# Allegro board reServer industrial J401 Carrier Board v11.brd (continued)
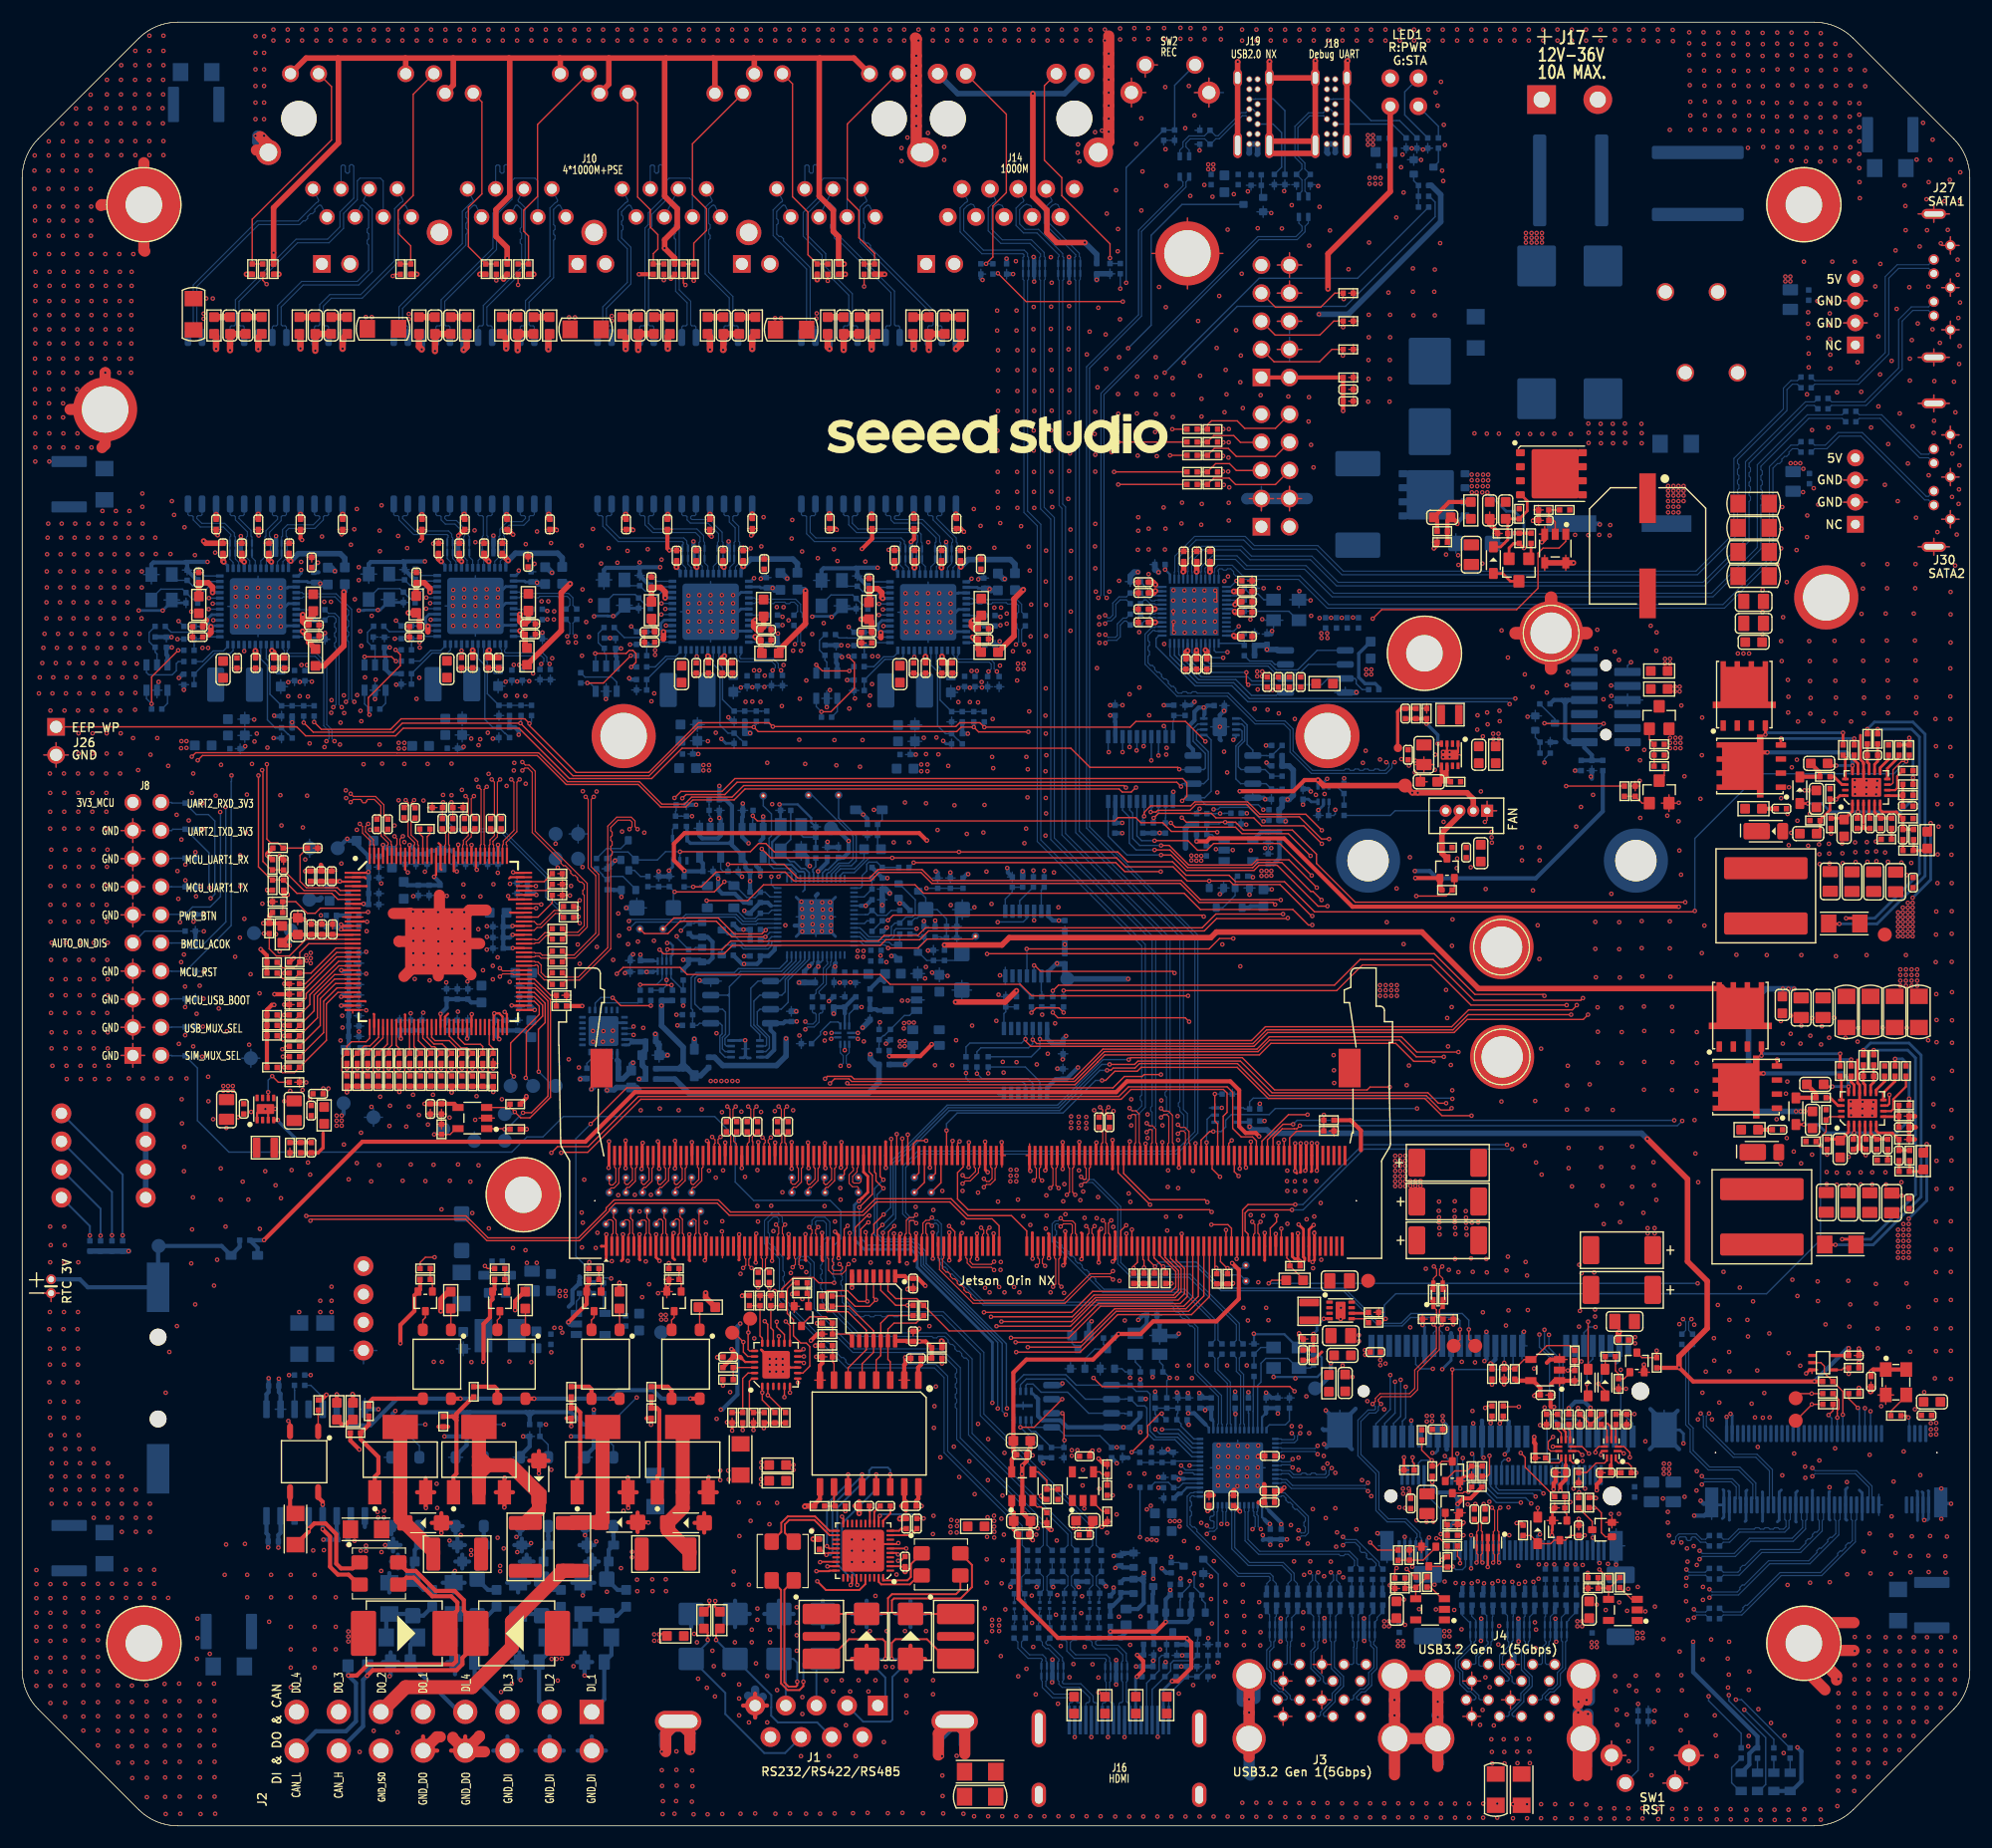
[diagram p0: board, top side]
## Routing (per net, layer and track width the routed paths; a pad name or vN(x,y) marks a point on that pad's centre or on a via; arc(x,y) is an arc through that point) (continued)
N31601691: length 3.9
  TOP w0.127: R456.1 23.15,67.2 v1(22.6,67.75) ; U64.6 v1(22.23,66.3)
  BOTTOM w0.127: v1(22.23,66.3) 22.23,67.39 v1(22.6,67.75)
N31601759: length 5
  TOP w0.305: C329.2 R455.2 v1(24.64,61.75) R457.1 ; U64.4 v1(23.1,63.78)
  BOTTOM w0.305: v1(24.64,61.75) 24.64,62.18 23.1,63.71 v1(23.1,63.78)
N31798159: length 10.6
  TOP w0.127: U51.8 70.55,40.92 71.18,41.55 71.18,43.31 70.86,43.63 70.36,43.63 69.7,44.29 69.7,45.74 69.14,46.3 69.14,48.55 69.65,49.06 R442.1
N32051114: length 6.8
  BOTTOM w0.127: LED1.2 124.93,156.7 124.93,154.61 127.01,152.53 R443.1
N32246249: length 9.4
  TOP w0.127: J25.8 113.25,123.75 109.72,123.75 108.99,124.48 107.73,124.48 D76.2 R449.2
N32246268: length 9.7
  TOP w0.127: J25.10 113.25,126.29 110.47,126.29 109.79,126.97 107.47,126.97 107.1,126.6 D75.2 R450.2
N32249612: length 20.7
  TOP w0.178: v1(78.58,15.1) 78.58,16.54 78.91,16.87 81.76,16.87 83.54,15.1 TBU1.3
  BOTTOM w0.178: v1(78.58,15.1) 80.27,15.1 TISP2.2 78.64,13.46 78.64,9.6 78.46,9.42 75.99,9.42 J1.2
N32249635: length 15
  TOP w0.178: TBU2.3 72.94,15.1 74.71,16.87 77.76,16.87 78,16.63 v1(78,15.09)
  BOTTOM w0.178: J1.1 78,11.55 78,13.41 TISP1.2 v1(78,15.09)

## Copper pours and planes (outline as drawn; the poured copper is in the pictures)
1V25_SW on TOP: 129.1,97.57 129.1,99.09 129.47,99.45 129.47,101.36 129.64,101.53 130.48,101.53 130.66,101.35 130.66,98.94 130.07,98.35 129.6,98.35 129.4,98.15 129.4,97.55 129.37,97.52 129.16,97.52
3V3_IN_A on TOP: 129.73,96.09 130.13,96.09 130.51,96.47 133.56,96.47 133.87,96.17 133.87,94.64 133.49,94.26 129.47,94.26 129.22,94.52 129.22,94.85 129.12,94.95 129.12,95.99 129.19,96.07 129.35,96.07 129.4,96.01 129.4,95.51 129.42,95.48 129.6,95.48 129.63,95.51 129.63,95.99
3V3_LDO on BOTTOM: 77.7,75.44 77.7,76.43 77.53,76.61 77.53,77.27 77.65,77.39 79.48,77.39 79.61,77.27 79.61,76.88 78.75,76.02 78.75,75.41 78.57,75.23 77.91,75.23
3V3_MCU on BOTTOM: 74.5,79.58 75.52,79.58 75.83,79.27 76.92,79.27 77.02,79.17 77.02,77.29 76.28,76.55 75.95,76.55 75.6,76.91 74.1,76.91 73.84,77.16 73.84,78.97 73.89,79.02 73.97,79.02 74,78.99 74,78.38 74.05,78.33 74.2,78.33 74.25,78.38 74.25,79.32
3V3_MCU on LAY4: 63.47,85.58 68.67,85.58 69,85.91 69,89.61 71.11,91.72 79.9,91.72 80.43,91.19 80.43,76.74 79.77,76.08 71.62,76.08 70.22,74.68 70.22,72.54 69.64,71.96 58.97,71.96 58.64,72.29 58.64,76.33 60.75,78.44 60.75,81.82 62.78,83.85 62.78,84.89
5V_ISO on TOP: 66.57,30.06 67.59,30.06 67.89,30.36 67.89,31.48 67.82,31.56 67.23,31.56 67.22,31.55 66.52,31.55 66.39,31.42 66.39,30.24
5V_ISO on BOTTOM: 43.17,51.13 43.17,47.93 43.72,47.37 49.06,47.37 49.34,47.65 49.34,48.56 49.06,48.84 45.02,48.84 44.71,49.15 44.71,51.13 44.46,51.38 43.42,51.38
5V_ISO on LAY4: 49.04,46.26 50.51,44.78 54.75,44.78 55.11,44.43 55.11,36.5 55.85,35.77 66.51,35.77 67.81,34.47 67.81,32.18 67.23,31.6 66.57,31.6 66.36,31.4 66.36,30.38 66.72,30.03 68.78,30.03 69.51,30.76 69.51,38.1 68.5,39.12 57.78,39.12 57.52,39.37 57.52,45.67 54.5,48.69 39.01,48.69 33.75,53.95 28.47,53.95 17.47,42.95 17.47,24.84 18.79,23.52 27.22,23.52 27.96,24.26 27.96,26.42 27.4,26.98 21.15,26.98 20.29,27.84 20.29,36.78 21.28,37.77 28.49,37.77 29,38.28 29,39.17 28.41,39.75 21.18,39.75 20.64,40.29 20.64,42.75 29.38,51.49 32.94,51.49 38.17,46.26
GND on TOP: 43.76,107.97 43.76,110.15 44.58,110.96 44.58,112.41 44.35,112.64 39.57,112.64 38.33,111.4 38.33,107.94 38.63,107.64 43.43,107.64
GND on TOP: 56.41,103.37 56.41,100.94 57.57,99.77 64.2,99.77 65.12,100.69 65.12,103.66 64.35,104.42 64.35,104.42 60.69,104.42 60.09,103.82 56.86,103.82
GND on TOP: 174.08,85.45 162.45,85.45 162.15,85.75 162.15,87.43 161.33,88.24 159.2,88.24 158.54,88.9 158.54,90.58 158.89,90.93 158.89,92.26 158.28,92.86 158.28,96.98 158.49,97.18 159.45,97.18 159.61,97.34 159.61,99.01 158.95,99.67 158.95,104.83 156.91,106.86 156.91,119.71 157.5,120.3 161.89,120.3 164.66,117.53 164.66,113.95 172.97,105.64 172.97,97.79 172.56,97.39 171.04,97.39 171.04,98.5 170.88,98.66 169.16,98.66 169,98.5 169,97.49 168.9,97.39 168.39,97.39 168.29,97.49 168.29,99.16 168.04,99.42 167.78,99.42 167.72,99.43 167.66,99.44 167.61,99.43 167.55,99.42 166.85,99.42 166.79,99.43 166.74,99.44 166.68,99.43 166.62,99.42 164.63,99.42 164.18,98.96 164.18,97.13 163.82,96.78 161.18,96.78 160.77,96.37 160.77,95.96 160.01,95.2 160.01,91.8 160.16,91.65 161.28,91.65 161.74,92.1 161.74,92.46 162.3,92.46 162.5,92.26 162.5,91.75 161.84,91.09 161.84,90.38 161.54,90.07 161.54,89.31 161.74,89.11 163.01,89.11 163.16,89.26 163.72,89.26 163.97,89.51 163.97,90.22 164.13,90.38 164.22,90.38 164.26,90.37 164.29,90.36 164.98,90.36 165.01,90.37 165.05,90.38 168.04,90.38 168.24,90.17 168.24,88.45 169.26,87.43 172.76,87.43 173.02,87.68 173.02,90.78 172.81,90.99 172.15,90.99 171.8,90.63 170.58,90.63 170.53,90.68 170.53,93.32 170.78,93.58 171.19,93.58 171.29,93.68 171.29,94.95 171.14,95.1 170.58,95.1 170.53,95.15 170.53,95.56 170.58,95.61 173.12,95.61 174.79,93.93 174.79,86.16
GND on TOP: 84.67,107.4 84.67,109.58 85.49,110.39 85.49,111.84 85.26,112.07 80.48,112.07 79.24,110.83 79.24,107.37 79.54,107.07 84.34,107.07
GND on TOP: 53.59,66.91 52.85,66.17 50.72,66.17 50.28,66.6 50.28,70.72 50.72,71.15 53.33,71.15 53.59,70.89
GND on TOP: 76.06,103.36 76.06,100.89 77.23,99.73 83.86,99.73 84.78,100.64 84.78,103.61 84.05,104.33 80.26,104.33 79.74,103.81 76.52,103.81
GND on TOP: 92.16,35.65 91.02,35.65 90.54,35.17 90.54,33.26 90.08,32.8 90.08,28.41 90.66,27.82 90.66,25.87 90.94,25.59 92.36,25.59 92.9,26.12 92.9,27.47 92.77,27.6 91.96,27.6 90.66,28.89 90.66,32.47 91.2,33.01 92.19,33.01 92.57,33.39 92.57,35.24
GND on TOP: 128.12,35.43 128.12,37.48 128.3,37.66 128.65,37.66 128.96,37.36 128.96,35.4 128.76,35.2 128.35,35.2
GND on TOP: 23.43,104.93 24.22,104.14 24.22,101.17 23.31,100.25 17.31,100.25 16.63,100.94 16.63,103.9 16.98,104.25 18.53,104.25 19.22,104.93
GND on TOP: 116.81,53.27 114.7,53.27 114.57,53.39 114.57,54.38 114.75,54.56 116.65,54.56 116.91,54.31 116.91,53.37
GND on TOP: 127.72,28.57 127.72,27.25 127.31,26.84 124.79,26.84 124.31,27.32 124.31,28.34 124.87,28.9 127.38,28.9
GND on TOP: 122.48,41.32 122.48,42.92 122.71,43.15 123.32,43.15 123.65,42.82 123.65,41.37 123.4,41.12 122.69,41.12
GND on TOP: 35.15,103.91 35.15,101.46 36.32,100.3 42.95,100.3 43.87,101.21 43.87,104.18 43.27,104.78 39.33,104.78 38.8,104.25 35.49,104.25
GND on TOP: 116.92,95.65 115.97,96.6 115.97,99.88 117.42,101.32 120.54,101.32 121.18,100.69 121.18,96.41 120.41,95.65
GND on TOP: 117.7,50.17 118.46,50.17 118.66,49.96 118.66,48.59 119.58,47.68 119.58,45.72 119.83,45.47 120.92,45.47 121.05,45.34 121.05,43.54 120.9,43.39 119.75,43.39 119.52,43.61 119.52,44.66 118.71,45.47 118.71,46.13 118.64,46.21 117.92,46.21 117.87,46.26 117.87,46.41 117.92,46.46 118.61,46.46 118.71,46.56 118.71,47.14 118.66,47.2 117.82,47.2 117.54,47.48 117.54,50.02
GND on TOP: 170.32,64.57 170.17,64.42 170.17,61.67 170.22,61.62 171.44,61.62 171.8,61.98 172.46,61.98 172.66,61.78 172.66,58.68 172.41,58.42 168.9,58.42 167.89,59.44 167.89,61.17 167.68,61.37 163.77,61.37 163.62,61.22 163.62,60.51 163.36,60.25 162.81,60.25 162.55,60.51 162.55,61.11 162.4,61.27 161.59,61.27 161.49,61.37 161.49,62.08 162.15,62.74 162.15,63.25 161.94,63.45 161.38,63.45 161.38,63.1 160.93,62.64 159.81,62.64 159.66,62.79 159.66,66.19 160.42,66.96 160.42,67.36 160.82,67.77 163.47,67.77 163.82,68.13 163.82,69.95 164.28,70.41 167.68,70.41 167.94,70.16 167.94,68.48 168.04,68.38 168.55,68.38 168.65,68.48 168.65,69.5 168.8,69.65 169.71,69.65 169.87,69.5 169.87,68.48 169.97,68.38 172.2,68.38 172.61,68.79 172.61,73.41 172.2,73.81 158.74,73.81 158.59,73.66 158.59,70.67 159.25,70 159.25,68.33 159.1,68.18 158.13,68.18 157.93,67.97 157.93,63.86 158.54,63.25 158.54,61.93 158.18,61.57 158.18,59.9 158.64,59.44 160.77,59.44 161.79,58.42 161.79,56.75 162.09,56.44 173.73,56.44 174.44,57.15 174.44,63.86 173.73,64.57
GND on TOP: 65.02,107.44 65.02,109.63 65.83,110.44 65.83,111.89 65.6,112.12 60.83,112.12 59.58,110.87 59.58,107.42 59.89,107.11 64.69,107.11
GND on TOP: 97.29,34.33 96.42,34.33 96.2,34.1 96.2,32.98 95.59,32.37 95.59,28.62 96.22,27.98 96.22,26.23 96.42,26.02 98.23,26.02 98.63,26.43 98.63,27.45 98.38,27.7 97.24,27.7 96.15,28.79 96.15,32.35 96.6,32.81 97.31,32.81 97.59,33.09 97.59,34.03
GND on TOP: 23.79,107.59 18.99,107.59 18.68,107.9 18.68,111.35 19.93,112.6 24.7,112.6 24.93,112.37 24.93,110.92 24.12,110.11 24.12,107.92
GND on TOP: 73.44,80.69 73.34,80.59 70.41,80.59 70.21,80.8 70.21,82.09 70.39,82.27 73.26,82.27 73.44,82.09
GND on BOTTOM: 80.2,100.23 80.08,100.11 80.08,96.8 80.36,96.53 83.89,96.53 84.34,96.98 84.34,97.92 84.22,98.05 83.68,98.05 81.5,100.23
GND on BOTTOM: 67.56,101.65 67.56,102.95 67.38,103.12 63.98,103.12 63.67,102.82 63.67,101.93 64.23,101.37 67.28,101.37
GND on BOTTOM: 75.75,76.25 75.57,76.43 73.31,76.43 73.16,76.28 73.16,74.85 73.34,74.67 74.58,74.67 74.73,74.83 74.73,75.26 74.89,75.41 75.55,75.41 75.75,75.61
GND on BOTTOM: 60.55,100.28 60.42,100.15 60.42,96.85 60.7,96.57 64.23,96.57 64.69,97.03 64.69,97.97 64.56,98.09 64.03,98.09 61.84,100.28
GND on BOTTOM: 87.21,101.61 87.21,102.9 87.04,103.08 83.63,103.08 83.33,102.77 83.33,101.88 83.89,101.33 86.94,101.33
GND on BOTTOM: 69.17,79.32 73.82,79.32 74.53,80.03 74.53,84.58 74.43,84.68 69.88,84.68 69.37,84.17 69.37,82.22 68.79,81.63 68.79,79.7 ; 1 cut-out
GND on BOTTOM: 23.33,97.05 19.8,97.05 19.52,97.33 19.52,100.63 19.65,100.76 20.95,100.76 23.13,98.58 23.66,98.58 23.79,98.45 23.79,97.51
GND on BOTTOM: 106.85,89.1 107.44,89.1 108.05,88.49 111.63,88.49 112.24,89.1 112.87,89.1 113.08,88.89 113.08,87.93 112.82,87.67 111.88,87.67 111.68,87.88 107.87,87.88 107.41,88.34 106.88,88.34 106.75,88.46 106.75,89
GND on BOTTOM: 26.38,101.85 23.33,101.85 22.77,102.41 22.77,103.3 23.08,103.61 26.48,103.61 26.66,103.43 26.66,102.13
GND on BOTTOM: 46.3,102.18 46.3,103.47 46.13,103.65 42.72,103.65 42.42,103.34 42.42,102.46 42.98,101.9 46.02,101.9
GND on BOTTOM: 39.29,100.8 39.17,100.68 39.17,97.38 39.45,97.1 42.98,97.1 43.43,97.55 43.43,98.49 43.31,98.62 42.77,98.62 40.59,100.8
GND on BOTTOM: 80.24,77.77 83.55,77.77 84.26,77.06 85.4,77.06 85.86,76.61 85.86,75.13 85.6,74.88 84.94,74.88 83.45,76.38 80.35,76.38 80.12,76.15 80.12,75.06 80.22,74.95 81.26,74.95 81.31,74.9 81.31,74.45 81.21,74.34 79.25,74.34 79.03,74.57 79.03,75.77 80.02,76.76 80.02,77.55
GND on BOTTOM: 47.39,87.6 47.39,70.53 45.43,68.57 30.65,68.57 30.65,68.58 30.19,69.04 30.19,79.2 29.76,79.63 27.7,79.63 27.04,80.29 27.04,87.14 29.63,89.73 45.25,89.73
GND on BOTTOM: 102.57,27.51 102.8,27.73 102.8,28.62 103.41,29.23 103.41,29.82 103.18,30.05 102.75,30.05 101.28,28.57 101.28,27.71 101.48,27.51
GND on BOTTOM: 34.61,43.89 30.01,43.89 29.97,43.84 29.97,43.64 29.96,43.64 29.96,42.06 30.12,41.91 33.34,41.91 34.66,40.59 47.97,40.59 48.27,40.89 48.27,43.48 47.94,43.81 46.26,43.81 45.86,43.41 45.86,42.67 45.35,42.16 40.52,42.16 40.32,42.37 40.32,43.31 40.07,43.56 34.94,43.56
GND on PWR02: 119.73,101.7 115.82,101.7 114.62,100.51 114.62,97.16 116.63,95.15 119.19,95.15 121.28,97.23 121.28,100.15
GND on PWR02: 173.68,56.47 157.65,56.47 154.32,59.79 154.32,123.34 158.77,127.79 158.77,140.54 160.04,141.81 166.77,141.81 169.56,144.6 169.56,150.6 170.45,151.49 170.45,154.36 170.53,154.43 171.67,154.43 174.65,151.46 175.38,150.09 175.38,58.17
GND on PWR02: 52.19,101.7 57.57,101.7 58.39,100.89 58.39,96.6 57.07,95.28 51.76,95.28 50.82,96.22 50.82,100.33
GND on GND05: 86.5,121.11 86.12,120.73 1.01,120.73 0.55,120.27 0.55,26.88 1.5,25.92 13.44,25.92 13.86,26.34 13.86,44.27 26.81,57.23 44.72,57.23 49.93,52.02 49.93,47.58 49.29,46.94 35.58,46.94 31.89,43.26 24.27,43.26 21.86,40.85 21.86,37.67 22.75,36.78 31.77,36.78 32.15,36.4 32.15,33.48 33.04,32.59 54.37,32.59 56.02,30.94 59.58,30.94 62.37,33.73 66.06,33.73 71.65,39.32 81.42,39.32 82.06,38.69 82.06,33.35 86.5,28.91 86.5,16.21 91.2,11.51 92.73,11.51 93.62,10.62 93.62,8.33 94.38,7.57 103.52,7.57 104.03,8.08 104.03,10.49 105.05,11.51 106.32,11.51 108.48,13.67 108.48,15.7 108.73,15.95 112.16,15.95 112.36,15.75 112.36,14.18 112.74,13.79 112.74,9.91 113.68,8.97 121.3,8.97 122.12,9.78 122.12,13.74 122.5,14.12 122.5,15.12 123.21,15.83 128.92,15.83 129.43,15.32 129.43,14.18 129.79,13.82 129.79,9.63 131.97,7.44 131.97,4.65 132.48,4.14 136.54,4.14 137.05,4.65 137.05,7.57 139.13,9.65 139.13,13.74 139.56,14.18 139.56,14.79 140.48,15.7 143.15,15.7 143.65,15.19 143.65,7.83 142.89,7.06 142.89,3.3 143.2,3 151.15,3 151.53,3.38 151.53,4.78 152.54,5.79 157.12,5.79 158.01,4.9 159.45,4.9 159.61,5.06 159.61,8.26 156.48,11.38 156.48,18.11 159.02,20.65 173.83,20.65 175.38,22.2 175.38,150.09 174.65,151.46 171.67,154.43 170.53,154.43 170.45,154.36 170.45,151.49 169.56,150.6 169.56,144.6 166.77,141.81 160.04,141.81 158.77,140.54 158.77,127.97 153.05,122.25 149.88,122.25 148.73,123.4 148.73,125.55 143.78,130.51 131.34,130.51 128.8,133.05 128.8,157.66 128.26,158.19 108.27,158.19 106.67,159.79 101.85,159.79 99.84,157.79 99.84,149.81 98.7,148.67 84.7,148.67 83.28,147.25 83.28,145.16 86.5,141.94
GND_DI on BOTTOM, LAY4, GND05: 53.96,27.61 32.85,27.61 32.24,27 32.24,14.27 33.13,13.38 34.53,13.38 36.13,11.78 36.13,10.18 36.56,9.75 39.63,9.75 40.27,9.12 40.27,6.46 40.89,5.84 52.95,5.84 55.03,7.93 55.03,16.54 58.46,19.97 58.46,29.01 57.98,29.49 56.38,29.49 54.5,27.61 53.96,27.61
GND_DO on TOP: 30.5,37.16 61.61,37.16 62.34,36.43 62.34,33 62.95,32.39 65.4,32.39 65.68,32.11 65.68,31.14 65.47,30.94 63.9,30.94 62.04,29.09 62.04,24.01 62.04,24 62.04,23.78 53.83,15.56 53.83,6.9 52.71,5.79 35.56,5.79 35.26,6.09 35.26,7.96 36.12,8.83 40.03,8.83 44.79,13.59 49.91,13.59 50.95,14.63 50.95,19.96 49.93,20.98 40.35,20.98 39.56,21.77 37.64,21.77 34.56,24.84 34.18,24.84 31.79,27.24 31.79,27.84 30.19,29.44 30.19,36.85 ; 1 cut-out
GND_DO on PWR02: 59.24,20.98 62.04,23.78 62.04,29.08 63.9,30.94 65.47,30.94 65.68,31.14 65.68,32.11 65.4,32.39 62.95,32.39 62.34,33 62.34,36.43 61.61,37.16 30.5,37.16 30.19,36.85 30.19,29.44 31.79,27.84 31.79,27.24 34.18,24.84 34.56,24.84 37.64,21.77 39.56,21.77 40.35,20.98
GND_ISO on TOP: 28.99,27.33 28.99,25.09 30.06,24.03 31.07,24.03 31.3,24.26 31.3,25.4 30.92,25.78 30.54,25.78 30.36,25.96 30.36,27.3 30.11,27.56 29.22,27.56
GND_ISO on TOP: 48.8,14.86 47.66,14.86 47.33,15.19 47.33,18.85 47.79,19.3 48.93,19.3 49.19,19.05 49.19,15.24
GND_ISO on TOP: 58.68,16.75 58.68,17.44 58.5,17.61 57.17,17.61 56.94,17.39 56.94,16.66 57.15,16.45 58.38,16.45
GND_ISO on TOP: 30.11,19.3 30.11,18.52 29.27,17.68 29.27,15.95 29.75,15.47 31.35,15.47 31.76,15.87 31.76,19.25 31.63,19.38 30.19,19.38
GND_ISO on BOTTOM: 36.03,54.38 34.76,53.11 29.93,53.11 28.99,52.17 28.99,49.5 29.55,48.94 31.25,48.94 31.76,48.44 31.76,47.7 31.2,47.14 29.58,47.14 28.21,45.77 28.21,45.77 28.21,45.04 27.98,44.81 23.72,44.81 20.67,41.76 20.67,25.73 21.45,24.95 22.39,24.95 23.28,25.83 23.83,25.83 24.83,24.84 25.54,24.84 26.1,25.4 29.04,25.4 29.19,25.56 29.19,26.86 29.49,27.15 31.66,27.15 32.02,26.79 32.02,14.04 32.9,13.16 34.47,13.16 35.39,12.24 35.39,7.16 34.05,5.82 21.83,5.82 19.39,8.25 19.39,15.21 20.23,16.05 20.23,19.04 16.98,22.28 16.98,42.58 22.7,48.29 23.35,48.94 26.88,48.94 27.37,49.43 27.37,53.54 28.66,54.84 33.41,54.84 34.81,56.23 41.01,56.23 43.9,53.35 46.23,53.35 46.49,53.08 48.22,51.36 48.22,49.73 47.97,49.48 45.63,49.48 45.35,49.76 45.35,51.48 44.99,51.84 43.33,51.84 40.79,54.38 ; 1 cut-out
GND_ISO on LAY3: 57.98,19.05 41.65,19.05 39.23,21.47 37.46,21.47 35.65,23.27 35.15,23.27 33.88,24.54 32.17,24.54 30.93,25.78 30.55,25.78 30.34,25.99 18.18,25.99 17.54,25.35 17.54,22.51 23.13,16.92 23.13,6.45 23.77,5.82 45.71,5.82 55.21,15.32 57.87,15.32 58.68,16.13 58.68,18.35
GND_ISO on GND05: 36.03,54.38 34.76,53.11 29.93,53.11 28.99,52.17 28.99,49.5 29.55,48.94 31.25,48.94 31.76,48.44 31.76,47.7 31.2,47.14 29.58,47.14 28.21,45.77 28.21,45.77 28.21,45.04 27.98,44.81 23.72,44.81 20.67,41.76 20.67,25.73 21.45,24.95 22.39,24.95 23.28,25.83 23.83,25.83 24.83,24.84 25.54,24.84 26.1,25.4 29.04,25.4 29.19,25.56 29.19,26.86 29.49,27.15 31.66,27.15 32.02,26.79 32.02,14.04 32.9,13.16 34.47,13.16 35.39,12.24 35.39,7.16 34.05,5.82 23.54,5.82 22.69,6.66 22.69,16.57 16.98,22.28 16.98,42.58 22.7,48.29 23.35,48.94 26.88,48.94 27.37,49.43 27.37,53.54 28.66,54.84 33.41,54.84 34.81,56.23 41.01,56.23 43.9,53.35 46.23,53.35 48.22,51.36 48.22,49.73 47.97,49.48 45.63,49.48 45.35,49.76 45.35,51.48 44.99,51.84 43.33,51.84 40.79,54.38
GND_SHD1 on TOP: 31.64,134.44 30.75,134.44 30.37,134.83 30.37,136.63 30.57,136.83 31.67,136.83 31.89,136.6 31.89,134.7
GND_SHD1 on TOP: 14.85,137.32 17.29,137.32 17.51,137.54 17.51,138.66 17.47,138.7 15.16,138.7 14.85,138.39
GND_SHD1 on TOP: 68.52,134.44 67.63,134.44 67.25,134.83 67.25,136.63 67.45,136.83 68.55,136.83 68.78,136.6 68.78,134.7
GND_SHD1 on TOP: 18.6,162.64 161.59,162.64 161.61,162.62 161.93,162.62 163.7,162.27 165.19,161.27 167.28,159.18 167.28,151.26 167.91,150.62 167.91,148.41 164.1,144.6 159.66,144.6 157.62,146.64 157.62,148.92 155.97,150.57 147.85,150.57 147.34,151.08 147.34,152.73 149.62,155.02 149.62,160.53 149.16,160.99 120.39,160.99 120.08,160.68 120.08,151.03 119.96,150.9 119.55,150.9 119.37,151.08 119.37,160.68 119.07,160.99 117.52,160.99 117.21,160.68 117.21,151.11 117.04,150.93 116.7,150.93 116.65,150.88 112.59,150.88 112.36,151.11 112.36,160.71 112.08,160.99 110.48,160.99 110.2,160.71 110.2,151.08 109.97,150.85 109.75,150.85 109.47,151.13 109.47,160.71 109.19,160.99 22.55,160.99 22.14,160.58 22.14,152.76 23.4,151.5 23.4,150.67 22.77,150.04 21,150.04 18.37,152.67 18.37,162.41 ; 2 cut-outs
GND_SHD1 on TOP: 49.93,134.47 49.04,134.47 48.66,134.85 48.66,136.65 48.86,136.86 49.95,136.86 50.18,136.63 50.18,134.72
GND_SHD1 on BOTTOM: 161.59,162.64 161.61,162.62 161.93,162.62 163.7,162.27 165.19,161.27 167.28,159.18 167.28,151.26 167.91,150.62 167.91,148.41 164.1,144.6 159.66,144.6 157.62,146.64 157.62,148.92 155.97,150.57 147.85,150.57 147.34,151.08 147.34,152.73 149.62,155.02 149.62,160.53 149.16,160.99 22.55,160.99 22.14,160.58 22.14,152.46 23.06,151.54 23.06,151.32 22.43,150.69 21.56,150.69 21.4,150.85 20.19,150.85 16.48,154.55 16.48,162.17 16.95,162.64
GND_SHD1 on PWR02: 161.59,162.64 161.61,162.62 161.93,162.62 163.7,162.27 165.19,161.27 167.28,159.18 167.28,151.26 167.91,150.62 167.91,148.41 164.1,144.6 159.66,144.6 157.62,146.64 157.62,148.92 155.97,150.57 147.85,150.57 147.34,151.08 147.34,152.73 149.62,155.02 149.62,160.53 149.16,160.99 120.39,160.99 120.08,160.68 120.08,151.16 119.83,150.9 119.52,150.9 119.37,151.06 119.37,160.68 119.07,160.99 117.52,160.99 117.21,160.68 117.21,151.08 117.04,150.9 116.65,150.9 116.6,150.95 112.44,150.95 112.36,151.03 112.36,160.71 112.08,160.99 110.48,160.99 110.2,160.71 110.2,151.11 110.02,150.93 109.62,150.93 109.47,151.08 109.47,160.71 109.19,160.99 99.89,160.99 98.34,159.44 98.34,150.89 97.57,150.12 20.92,150.12 18.37,152.67 18.37,162.41 18.6,162.64 ; 2 cut-outs
GND_SHD1 on LAY3: 161.59,162.64 161.61,162.62 161.93,162.62 163.7,162.27 165.19,161.27 167.28,159.18 167.28,151.26 167.91,150.62 167.91,148.41 164.1,144.6 159.66,144.6 157.62,146.64 157.62,148.92 155.97,150.57 147.85,150.57 147.34,151.08 147.34,152.73 149.62,155.02 149.62,160.53 149.16,160.99 120.39,160.99 120.08,160.68 120.08,151.18 119.83,150.93 119.58,150.93 119.37,151.13 119.37,160.68 119.07,160.99 117.52,160.99 117.21,160.68 117.21,151.06 117.01,150.85 116.7,150.85 116.53,151.03 116.53,160.68 116.22,160.99 113.38,160.99 113.07,160.68 113.07,151.06 112.84,150.83 112.56,150.83 112.36,151.03 112.36,160.71 112.08,160.99 110.48,160.99 110.2,160.71 110.2,151.06 110.02,150.88 109.67,150.88 109.47,151.08 109.47,160.71 109.19,160.99 99.89,160.99 98.34,159.44 98.34,150.89 97.57,150.12 20.92,150.12 18.37,152.67 18.37,162.41 18.6,162.64
GND_SHD1 on LAY4: 161.59,162.64 161.61,162.62 161.93,162.62 163.7,162.27 165.19,161.27 167.28,159.18 167.28,151.26 167.91,150.62 167.91,148.41 164.1,144.6 159.66,144.6 157.62,146.64 157.62,148.92 155.97,150.57 147.85,150.57 147.34,151.08 147.34,152.73 149.62,155.02 149.62,160.53 149.16,160.99 99.89,160.99 98.34,159.44 98.34,150.89 97.57,150.12 82.75,150.12 81.27,148.64 81.27,143.36 82.41,142.22 84.45,142.22 85.39,141.28 85.39,133.66 84.9,133.17 15.25,133.17 14.81,133.62 14.81,140.99 18.37,144.55 18.37,162.41 18.6,162.64 ; 7 cut-outs
GND_SHD1 on GND05: 161.59,162.64 161.61,162.62 161.93,162.62 163.7,162.27 165.19,161.27 167.28,159.18 167.28,151.26 167.91,150.62 167.91,148.41 164.1,144.6 159.66,144.6 157.62,146.64 157.62,148.92 155.97,150.57 147.85,150.57 147.34,151.08 147.34,152.73 149.62,155.02 149.62,160.53 149.16,160.99 99.89,160.99 98.34,159.44 98.34,150.89 97.57,150.12 82.75,150.12 81.27,148.64 81.27,143.36 82.41,142.22 84.45,142.22 85.39,141.28 85.39,133.66 84.9,133.17 15.25,133.17 14.81,133.62 14.81,140.99 18.37,144.55 18.37,162.41 18.6,162.64
GND_SHD2 on TOP: 160.24,19.23 173.25,19.23 174.95,17.53 174.95,11.67 174.63,11.22 174.27,10.81 165.19,1.73 163.7,0.73 161.93,0.38 161.68,0.38 161.63,0.33 57.85,0.33 57.57,0.6 57.57,9.45 58.18,10.06 60.04,10.06 60.88,9.22 60.88,4.33 62.61,2.6 80.45,2.6 82.31,4.47 82.31,9.2 83.15,10.04 85.44,10.04 85.91,9.56 85.91,1.79 86.67,1.04 108.08,1.04 109.71,2.66 109.71,11.85 109.87,12.02 109.87,13.67 110.25,14.05 111.78,14.05 112.03,13.79 112.03,3.42 112.95,2.51 122.29,2.51 122.95,3.18 122.95,13.79 123.59,14.43 128.41,14.43 129.05,13.79 129.05,3.13 129.68,2.49 139.82,2.49 140.1,2.77 140.1,13.54 140.61,14.05 141.5,14.05 141.88,13.67 141.88,2.3 142.19,1.99 161.5,1.99 162.32,2.81 162.32,11.76 158.39,15.7 158.39,17.38
GND_SHD2 on BOTTOM: 160.24,19.23 173.25,19.23 174.95,17.53 174.95,11.67 174.63,11.22 174.27,10.81 165.19,1.73 163.7,0.73 161.93,0.38 161.68,0.38 161.63,0.33 110.2,0.33 110.17,0.36 57.82,0.36 57.57,0.6 57.57,9.45 58.18,10.06 60.04,10.06 60.88,9.22 60.88,4.33 62.61,2.6 80.45,2.6 82.31,4.47 82.31,9.2 83.15,10.04 85.44,10.04 86.17,9.3 86.17,1.53 86.67,1.04 108.08,1.04 109.71,2.66 109.71,11.85 109.87,12.02 109.87,13.67 110.25,14.05 111.78,14.05 112.03,13.79 112.03,3.42 112.95,2.51 122.29,2.51 122.95,3.18 122.95,13.79 123.59,14.43 128.41,14.43 129.05,13.79 129.05,3.13 129.68,2.49 139.82,2.49 140.1,2.77 140.1,13.54 140.61,14.05 141.5,14.05 141.88,13.67 141.88,2.3 142.19,1.99 161.5,1.99 162.32,2.81 162.32,11.76 158.39,15.7 158.39,17.38
GND_SHD2 on PWR02, LAY3, LAY4, GND05: 160.24,19.23 173.25,19.23 174.95,17.53 174.95,11.67 174.63,11.22 174.27,10.81 165.19,1.73 163.7,0.73 161.93,0.38 161.68,0.38 161.63,0.33 110.2,0.33 110.17,0.36 57.82,0.36 57.57,0.6 57.57,9.45 58.18,10.06 60.04,10.06 60.88,9.22 60.88,4.33 62.61,2.6 80.45,2.6 82.31,4.47 82.31,9.2 83.15,10.04 85.44,10.04 86.17,9.3 86.17,2.77 87.38,1.56 108.61,1.56 109.71,2.66 109.71,11.85 109.87,12.02 109.87,13.67 110.25,14.05 111.78,14.05 112.03,13.79 112.03,3.42 112.95,2.51 122.29,2.51 122.95,3.18 122.95,13.79 123.59,14.43 128.41,14.43 129.05,13.79 129.05,3.13 129.68,2.49 139.82,2.49 140.1,2.77 140.1,13.54 140.61,14.05 141.5,14.05 141.88,13.67 141.88,2.3 142.19,1.99 161.5,1.99 162.32,2.81 162.32,11.76 158.39,15.7 158.39,17.38
GND_SHD3 on TOP: 12.5,162.64 13.19,162.64 13.35,162.48 13.35,143.84 10.18,140.67 10.18,123.42 9.29,122.53 0.74,122.53 0.4,122.87 0.4,150.5 0.98,151.39 1.77,152.4 10.91,161.62 11.65,162.18 12.49,162.64
GND_SHD3 on BOTTOM: 12.49,162.64 14.56,162.64 14.97,162.22 14.97,154.49 13.35,152.86 13.35,143.84 10.18,140.67 10.18,122.41 9.63,121.87 0.55,121.87 0.4,122.02 0.4,150.5 0.98,151.39 1.77,152.4 10.91,161.62 11.65,162.18
GND_SHD3 on PWR02, LAY3: 12.49,162.64 13.19,162.64 13.35,162.48 13.35,143.84 10.18,140.67 10.18,123.42 9.29,122.53 0.74,122.53 0.4,122.87 0.4,150.5 0.98,151.39 1.77,152.4 10.91,161.62 11.65,162.18
GND_SHD3 on LAY4: 12.49,162.64 13.19,162.64 13.35,162.48 13.35,143.84 10.18,140.67 10.18,123.42 9.29,122.53 0.74,122.53 0.4,122.87 0.4,150.5 0.98,151.39 1.77,152.4 10.91,161.62 11.65,162.18
GND_SHD3 on GND05: 12.49,162.64 13.19,162.64 13.35,162.48 13.35,143.84 10.18,140.67 10.18,122.41 9.63,121.87 0.55,121.87 0.4,122.02 0.4,150.5 0.98,151.39 1.77,152.4 10.91,161.62 11.65,162.18
GND_SHD4 on TOP, PWR02, LAY3, LAY4: 17.14,18.27 17.14,15.88 17.95,15.06 17.95,0.65 17.66,0.36 13.53,0.36 12.06,0.89 2.66,9.81 1.29,11.31 0.4,12.73 0.4,22.92 0.83,23.35 12.06,23.35
GND_SHD4 on BOTTOM: 17.14,18.27 17.14,15.88 17.95,15.06 17.95,0.65 17.66,0.36 13.53,0.36 12.06,0.89 2.66,9.81 1.29,11.31 0.4,12.73 0.4,23.41 1.32,24.33 11.07,24.33
GND_SHD4 on GND05: 17.14,18.27 17.14,15.88 17.95,15.06 17.95,0.65 17.66,0.36 13.53,0.36 12.06,0.89 2.63,9.83 1.29,11.31 0.4,12.73 0.4,22.92 0.83,23.35 12.06,23.35
GND_SHD_HDMI on TOP: 106.89,10.06 106.89,1.97 106.68,1.76 87.71,1.76 87.29,2.18 87.29,5.69 92.11,10.51 106.44,10.51
VCC_1V0 on TOP: 22.44,62.72 22.44,60.49 22.57,60.36 23.46,60.36 23.71,60.61 23.71,62.04 24.1,62.42 29.25,62.42 29.48,62.65 29.48,64.12 29.15,64.45 28.21,64.45 27.83,64.07 26.94,64.07 26.56,64.45 24.17,64.45
VCC_1V0 on BOTTOM: 29.68,78.97 29.68,63.43 29.18,62.92 25.85,62.92 25.06,63.71 25.06,78.67 25.54,79.15 29.51,79.15
VCC_1V0 on LAY3: 30.22,78.21 32.66,75.77 46.5,75.77 46.83,75.44 46.83,72.14 45.33,70.64 25.37,70.64 24.76,71.25 24.76,88.06 26.05,89.36 43.91,89.36 46.09,87.18 46.09,84.91 46.32,84.69 46.85,84.69 46.98,84.56 46.98,83.92 46.07,83.01 31.13,83.01 30.22,82.1
VDD12_SW_OUT on TOP: 85.59,112.53 85.87,112.25 85.87,110.91 86.32,110.46 87.05,110.46 87.65,109.86 88.84,109.86 89.17,110.19 89.17,112.98 88.9,113.25 88.9,113.25 88.38,113.77 85.99,113.77 85.59,113.37
VDD12_SW_OUT on TOP: 77.94,109.48 77.8,109.48 77.76,109.46 77.75,109.42 77.41,109.09 77.08,109.42 77.07,109.46 77.03,109.48 75.81,109.48 75.63,109.3 75.63,108.44 75.96,108.11 77.31,108.11 77.58,108.25 77.86,108.11 77.98,108.11 78.1,108.23 78.1,109.31
VDD12_SW_OUT on BOTTOM: 82.11,95.89 81.8,96.19 80.38,96.19 80.13,95.94 80.13,95.15 80.38,94.9 81.8,94.9 82.11,95.2
VDD12_SW_OUT on LAY3: 80.05,95 80.05,104.73 77.64,107.14 77.64,112.3 78.3,112.96 88.92,112.96 89.17,112.7 89.17,102.69 87.01,100.54 87.01,95.13 86.56,94.67 80.38,94.67
VDD12_SW_OUT0 on TOP: 25.03,113.06 25.31,112.78 25.31,111.23 25.67,110.87 26.61,110.87 27.09,110.39 28.29,110.39 28.62,110.72 28.62,113.51 28.35,113.78 25.17,113.78 25.03,113.64
VDD12_SW_OUT0 on TOP: 17.37,108.64 15.41,108.64 15.08,108.97 15.08,109.83 15.26,110.01 17.42,110.01 17.59,109.83 17.59,109.83 17.59,108.86
VDD12_SW_OUT0 on BOTTOM: 15.82,97.16 14.22,97.16 13.96,97.41 13.96,98.15 14.15,98.34 15.73,98.34 15.99,98.07 15.99,97.34
VDD12_SW_OUT0 on LAY4: 14.01,97.34 14.01,108.92 15.21,110.11 18.03,110.11 20.16,112.25 28.11,112.25 28.54,111.81 28.54,107.85 17.72,97.03 14.32,97.03
VDD12_SW_OUT1 on TOP: 44.68,113.1 44.96,112.82 44.96,111.27 45.31,110.91 46.25,110.91 46.74,110.43 47.93,110.43 48.26,110.76 48.26,113.56 47.99,113.82 44.8,113.82 44.68,113.7
VDD12_SW_OUT1 on TOP: 36.98,110.05 36.88,110.05 36.85,110.04 36.83,109.99 36.5,109.66 36.17,109.99 36.16,110.04 36.12,110.05 34.9,110.05 34.72,109.87 34.72,109.01 35.05,108.68 36.4,108.68 36.67,108.83 36.95,108.68 36.99,108.68 37.07,108.76 37.08,108.76 37.15,108.83 37.15,109.89
VDD12_SW_OUT1 on BOTTOM: 35.42,96.9 34.03,96.9 33.8,97.13 33.8,98.25 34.1,98.55 35.25,98.55 35.58,98.22 35.58,97.06
VDD12_SW_OUT1 on LAY4: 47.67,110.37 45.79,110.37 41.06,105.64 41.06,98.25 39.84,97.03 34.03,97.03 33.62,97.44 33.62,109.15 34.41,109.93 35.93,109.93 36.34,109.53 38.07,109.53 40.61,112.07 47.11,112.07 48.05,111.13 48.05,110.75
VDD12_SW_OUT2 on TOP: 58.27,109.52 58.14,109.52 58.1,109.51 58.09,109.47 57.76,109.14 57.43,109.47 57.41,109.51 57.38,109.52 56.15,109.52 55.97,109.35 55.97,108.48 56.3,108.15 57.65,108.15 57.92,108.3 58.2,108.15 58.35,108.15 58.43,108.24 58.43,109.36
